# Altium PCB HOMER3E-V3.5-G510.PcbDoc (part 1 of 2) (continued)
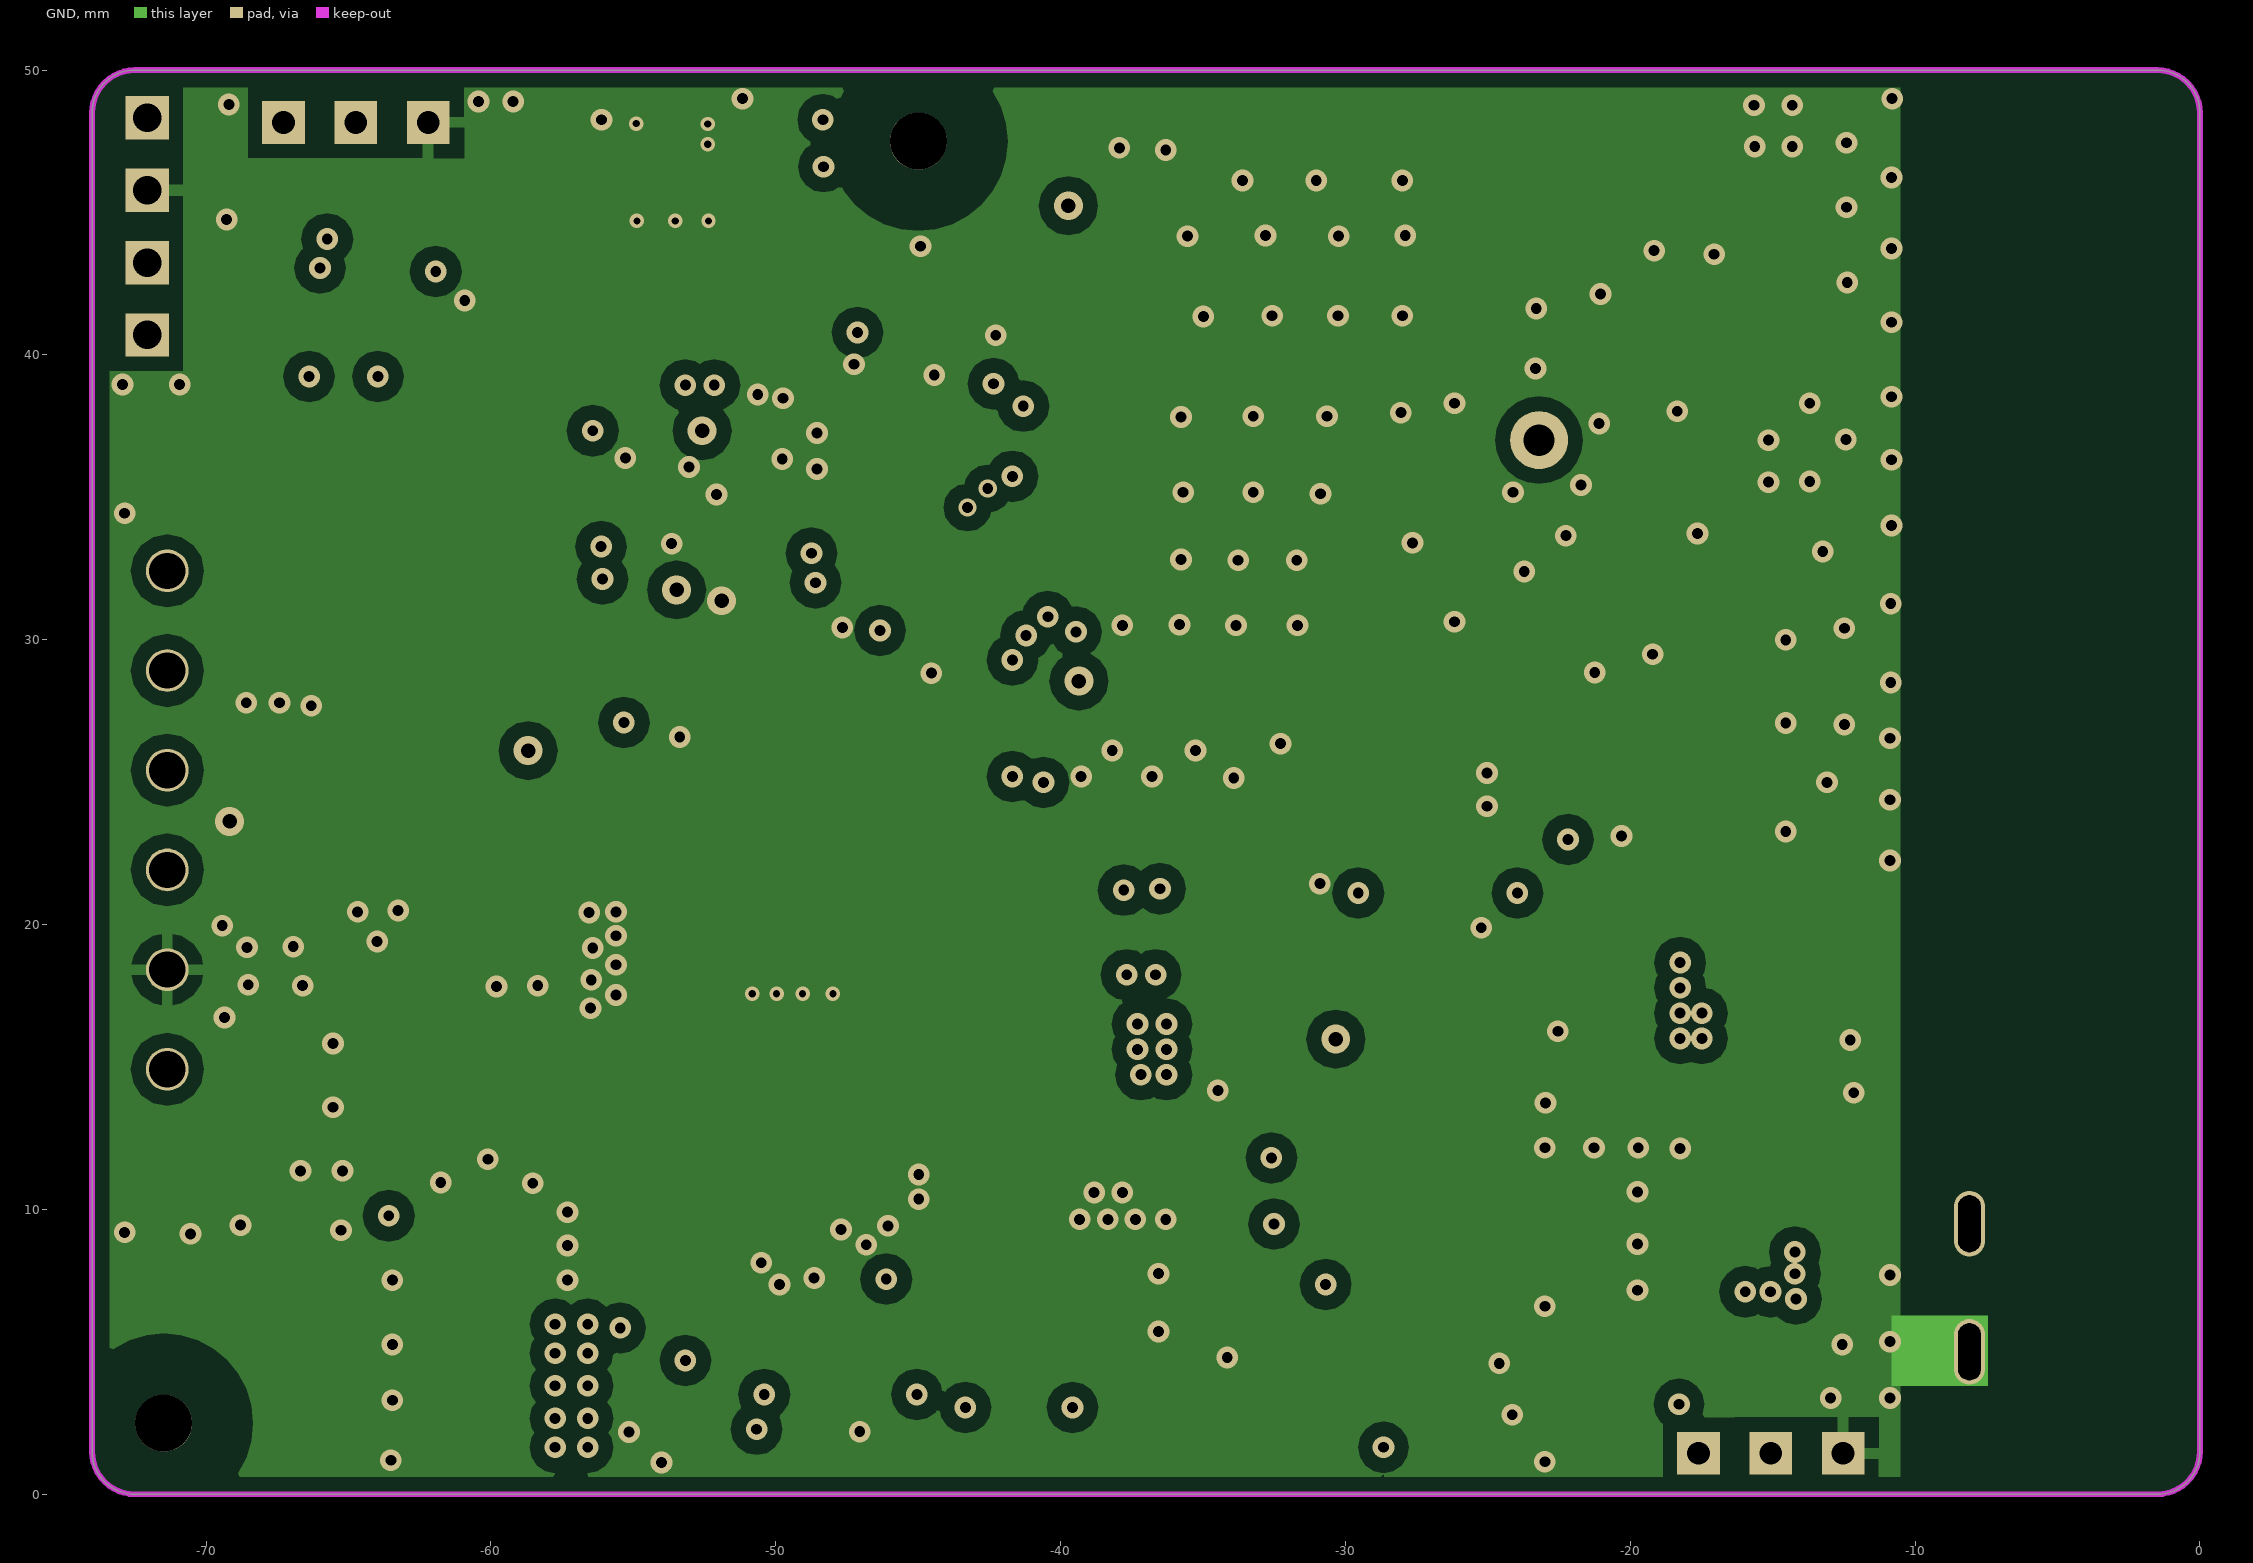
[diagram p3: GND]

## Layer stack, top to bottom
TopSolder: solder mask 0.0102, Solder Resist, Dk 3.5
TopLayer: signal copper 0.0356
Dielectric1: core 0.32, FR-4, Dk 4.8
Min_GND: signal copper 0.036
Dielectric2: prepreg 0.127, Dk 4.2
GND: signal copper 0.036
Dielectric3: core 0.32, FR-4, Dk 4.8
BottomLayer: signal copper 0.0356
BottomSolder: solder mask 0.0102, Solder Resist, Dk 3.5

## Board outline
-74,1.5 ccw(c-72.5,1.5) -72.5,0 -1.5,0 ccw(c-1.5,1.5) 0,1.5 0,48.5 ccw(c-1.5,48.5) -1.5,50 -72.5,50 ccw(c-72.5,48.5) -74,48.5

## Design rules (kind name [scope] priority, off if disabled: settings)
Clearance polygon [(InPoly)] p1: gap=0.508 ignorepadtopadclearanceinfootprint=FALSE except(0: Arc-Hole Track-Hole SMDPad-Hole THPad-Hole Via-Hole Fill-Hole Poly-Hole Region-Hole Text-Hole)
Clearance [All] p2: gap=0.178 ignorepadtopadclearanceinfootprint=FALSE except(0: Arc-Hole Track-Hole SMDPad-Hole THPad-Hole Via-Hole Fill-Hole Poly-Hole Region-Hole Text-Hole)
ComponentClearance [All] p1: gap=0 collisioncheckmode=3 verticalgap=0 showdistances=FALSE
FabricationTestPointUsage TestPointUsage [All] p1: valid=0 allowmultiple=FALSE
FabricationTestpoint Testpoint [All] p1: side=3 testpointundercomponent=TRUE minsize=1.016 maxsize=2.54 preferedsize=1.524 minholesize=0.508 maxholesize=1.016 preferedholesize=0.813 testpointgrid=0.025 allowsidetop=TRUE allowsidebottom=TRUE usegrid=TRUE gridtolerance=0
PolygonConnect GND_VIA [ISVIA] p1: connectstyle=Direct reliefconductorwidth=0.254 reliefentries=4 polygonreliefangle="90 Angle" airgapwidth=0.254
PolygonConnect [All] p2: connectstyle=Relief reliefconductorwidth=0.381 reliefentries=4 polygonreliefangle="90 Angle" airgapwidth=0.254
RoutingVias [All] p1: holewidth=0.711 width=1.27 viastyle="Through Hole" minholewidth=0.3 minwidth=0.6 maxholewidth=0.711 maxwidth=1.27
SilkToSilkClearance [All] p1: silktosilkclearance=0.01
SilkToSolderMaskClearance [IsPad] p1: minsilkscreentomaskgap=0.01 clearancetoexposedcopper=TRUE
SolderMaskExpansion [All] p1: expansion=0.102
Width [All] p1: maxlimit=2.032 minlimit=0.254 preferedwidth=0.305
25 further rules are at their usual default settings.

## Components (designator, comment, footprint, x,y, rotation, side; value= is the part's Value field where it differs from the comment)
ANT1 "ANT" GPS_ANT_25*25 -23.2,37.008 r270 top
C1 "0.1uF/50V" 0603#1 -40.904,43.409 r270 bottom
C2 "0.1uF/50V" 0603#1 -46.83,12.23 r0 top
C3 "10uF/10V" 0603#1 -40.904,43.434 r270 top
C4 "220uF/6.3V" 7343 -39.48,13.29 r270 top
C5 "680pF/50V" 0603#1 -48.727,22.225 r0 top
C6 "10uF/50V" 1206 -55.23,9.85 r270 top
C8 "0.1uF/50V" 0805#1 -49.61,10.33 r270 top
C9 "10uF/50V" 1206 -52.32,9.82 r90 top
C12 "0.1uF/50V" 0805#1 -71.336,36.413 r90 bottom
C13 "0.1uF/50V" 0603#1 -53.35,20.35 r90 top
C14 "0.47uF/50V" 0805#1 -64.4,32.72 r0 top
C15 "10uF/10V" 0603#1 -47.065,13.691 r180 bottom
C16 "10uF/10V" 0603#1 -44.409,22.835 r90 bottom
C17 "0.1uF/50V" 0603#1 -21.168,1.143 r180 bottom
C18 "0.1uF" 0805#2 -71.333,11.684 r0 bottom
C19 "1uF/10V" 0603#1 -47.203,28.321 r90 top
C20 "1uF/10V" 0603#1 -43.774,42.139 r0 top
C21 "1uF/10V" 0603#1 -44.803,31.877 r0 top
C22 "1uF/10V" 0603#1 -47,37.694 r90 top
C23 "0.1uF/50V" 0603#1 -17.104,5.842 r180 top
C24 "220uF/6.3V" 7343 -16.38,9.41 r180 top
C25 "18pF/50V" 0603#1 -26.883,18.415 r90 top
C26 "18pF/50V" 0603#1 -25.994,6.604 r270 top
C27 "0.1uF/50V" 0603#1 -53.172,24.13 r270 top
C28 "0.1uF/50V" 0603#1 -59.268,41.91 r180 bottom
C29 "0.1uF/50V" 0603#1 -58.97,28.84 r180 bottom
C30 "0.1uF/50V" 0603#1 -43.647,30.734 r90 bottom
C31 "0.1uF/50V" 0603#1 -55.661,25.527 r0 bottom
C32 "10uF/10V" 0603#1 -49.31,40.79 r180 top
C33 "0.1uF/50V" 0603#1 -69.428,40.005 r270 bottom
C34 "0.1uF/50V" 0603#1 -46.695,43.815 r180 bottom
C35 "7pF/50V" 0603#1 -65.253,31.088 r0 bottom
C36 "22pF/50V" 0603#1 -68.35,36.576 r270 bottom
C37 "7pF/50V" 0603#1 -65.237,29.21 r0 bottom
C38 "22pF/50V" 0603#1 -68.285,33.274 r90 bottom
C39 "0.1uF/50V" 0603#1 -29.423,18.415 r270 top
C40 "0.1uF" 0805#2 -67.65,13.843 r90 bottom
C41 "10nF" 0603#1 -44.282,18.669 r90 bottom
C42 "1uF/10V" 0603#1 -17.485,36.703 r180 bottom
C43 "1uF/10V" 0603#1 -15.072,33.223 r90 bottom
C46 "0.1uF" 0603#1 -15.351,44.983 r270 bottom
C47 "0.1uF/50V" 0603#1 -60.411,23.571 r180 bottom
C48 "0.1uF/50V" 0603#1 -21.1,20.315 r180 top
C49 "0.1uF/50V" 0603#1 -63.967,26.289 r0 top
C50 "0.1uF/50V" 0603#1 -56.728,23.622 r0 bottom
C51 "22pF/50V" 0603#1 -67.1,21.88 r0 bottom
C52 "22pF/50V" 0603#1 -67.08,25.39 r0 bottom
C53 "0.1uF/50V" 0603#2 -35.966,13.32 r270 top
C54 "10nF/50V" 0603#2 -54.645,35.027 r270 top
C55 "0.1uF/50V" 0603#3 -60.538,37.465 r270 bottom
C56 "NC" C0603 -8.865,12.014 r180 bottom
C57 "NC" C0603 -8.865,17.145 r180 bottom
D1 "1N4148" SOD-123#1 -67.44,35.35 r90 top
D2 "SS210A" DO-214AC -43.62,9.82 r90 top
D3 "1N4007" DO-214AC -71.377,11.35 r270 top
D4 "SMCJ40A" SMCJ40A -63.205,3.937 r0 bottom
D5 "SS210A" DO-214AC -37.17,19.812 r0 top
D6 "SS24" DO-214AC -41.488,12.548 r0 bottom
D7 "LED绿色" 0603_led -27.56,2.2 r0 top
D8 "MMSZ3V3T1" SOD-123#2 -62.849,21.641 r0 bottom
D10 "LED蓝色" 0603_led -38.6,2.2 r0 top
D11 "LED红色" 0603_led -49.58,2.2 r0 top
F1 "FSMD075" 2920 -66.126,3.81 r0 top
J1 "CON6" CON6 -71.36,23.67 r90 top
J5 "CON3" PH-3(2.54) -15.066,1.439 r0 top
J6 "CON4" PH-4(2.54) -72.07,44.51 r90 top
J7 "CON3" PH-3(2.54) -64.74,48.16 r0 top
JS1 "CONN_SMD_PIN1x2" MOLEX_53261-0271 -45.273,8.179 r90 bottom
L1 "SLF7045T-150MR40-PF" "MURATA_7 X 7" -42.65,19.66 r270 top
L2 "SLF7045T-220MR90-PF" "MURATA_7 X 7" -60.538,11.684 r0 top
L9 "CBW201209U301" 0805#1 -15.79,13.88 r270 top
Q1 "MMBT2222A" SOT23-3#1 -56.35,28.72 r270 top
Q2 "2SD874" SOT-89-3L -62.97,29.31 r90 top
Q3 "AO3415A" SOT23-3#1 -39.685,15.773 r0 bottom
Q5 "SI2301CDS" SOT23-3#2 -15.76,17.51 r180 top
Q6 "2N7002" SOT23-3#3 -20.533,17.272 r180 top
Q7 "NUP2105LT1G" SOT23-3#4 -66.71,23.46 r90 top
R1 "1K" 0603#1 -42.919,37.135 r0 bottom
R2 "4.7K" 0603#1 -69.47,36.1 r270 top
R4 "200K" 0603#1 -53.553,14.859 r90 top
R5 "24K" 0603#1 -47.076,24.638 r180 top
R6 "48.7K 1%" 0603#1 -49.616,24.765 r270 top
R7 "100K" 0603#1 -59.53,32.25 r270 top
R8 "10K %1" 0603#1 -51.58,22.21 r90 top
R9 "1K" 0603#1 -57.54,31.92 r270 top
R10 "100R" 0805#1 -67.74,30.32 r90 top
R11 "10K" 0603#1 -59.14,28.6 r90 top
R12 "100K" 0603#1 -16.7,27.52 r0 bottom
R13 "10K" 0603#1 -42.123,20.422 r270 bottom
R14 "22R" 0603#1 -28.534,7.366 r0 top
R15 "100k/1%" 0603#1 -57.998,14.707 r270 bottom
R16 "22R" 0603#1 -31.455,10.287 r90 top
R17 "22R" 0603#1 -31.455,13.462 r90 top
R18 "1K" 0603#1 -27.645,21.082 r180 top
R19 "10K" 0603#1 -47.457,22.962 r0 bottom
R20 "100k/1%" 0603#1 -56.728,21.844 r0 bottom
R21 "1K" 0603#1 -21.803,2.921 r180 bottom
R22 "47K/1%" 0603#1 -63.58,15.41 r270 bottom
R23 "1K 1%" 0603#1 -61.808,18.669 r270 bottom
R24 "1K" 0603#1 -41.717,27.229 r90 bottom
R25 "1K" 0603#1 -30.566,1.651 r0 bottom
R26 "0R" 0603#1 -28.509,30.201 r180 bottom
R27 "1K/1%" 0603#1 -64.348,17.907 r180 bottom
R29 "300K" 0603#1 -42.326,17.12 r270 bottom
R30 "10K" 0603#1 -20.152,33.172 r90 bottom
R31 "1K" 0603#1 -63.738,45.923 r180 bottom
R32 "1K" 0603#1 -24.089,26.873 r180 bottom
R33 "47K" 0603#1 -16.71,21.154 r90 top
R34 "10K" 0603#1 -40.929,40.157 r90 bottom
R35 "1K" 0603#1 -14.81,21.224 r270 top
R36 "1K" 0603#1 -18.56,21.141 r90 top
R37 "1K" 0603#1 -41.488,3.048 r0 bottom
R38 "1K" 0603#1 -53.756,13.919 r90 bottom
R39 "5R" 0603#1 -67.17,20.905 r180 top
R40 "100R" 0603#1 -41.183,32.233 r0 bottom
R41 "100R" 0603#1 -41.183,34.087 r0 bottom
R42 "120R" 0805#1 -63.61,23.363 r90 top
R43 "5R" 0603#1 -66.99,26.23 r180 top
R44 "10K" 0603#1 -67.523,40.005 r270 bottom
R45 "100R" 0603#1 -36.789,4.064 r180 bottom
R46 "330R" 0603#1 -62.189,33.02 r0 bottom
R47 "1K" 0603#1 -33.868,2.327 r180 bottom
R48 "5.6K" 0603#1 -26.121,2.667 r0 bottom
R49 "4.7K" 0603#1 -18.831,47.727 r180 bottom
R50 "4.7K" 0603#1 -15.326,41.681 r270 bottom
R51 "1K" 0603#1 -16.723,29.337 r180 bottom
R56 "200R" 0805#1 -19.46,14.06 r180 top
R57 "100R" 0603#1 -49.108,29.083 r90 top
R58 "100R" 0603#1 -50.886,29.083 r90 top
R59 "10K" 0603#1 -61.3,20.119 r270 top
R60 "1K" 0603#2 -53.48,28.74 r90 top
R61 "10R" 0603#3 -62.443,36.322 r90 bottom
R62 "51R" 0603#3 -61.046,44.069 r0 bottom
R63 "51R" 0603#3 -61.046,46.101 r0 bottom
R64 "51R" 0603#3 -50.022,45.568 r270 top
R65 "51R" 0603#3 -52.385,43.256 r270 top
R66 "10K" 0603#3 -22.667,45.898 r270 bottom
R67 "1K" 0603#3 -56.439,34.62 r90 top
R68 "0Ω" R0603 -8.103,14.529 r270 bottom
TP1 "TestPoint" TESTPOINT -63.586,12.573 r180 bottom
TP2 "TestPoint" TESTPOINT -39.456,21.59 r270 bottom
TP3 "TestPoint" TESTPOINT -34.401,15.85 r90 top
TP4 "TestPoint" TESTPOINT -57.947,19.38 r270 bottom
TP5 "TestPoint" TESTPOINT -59.979,25.4 r270 bottom
TP6 "TestPoint" TESTPOINT -50.124,34.823 r90 top
TP7 "TestPoint" TESTPOINT -40.37,48.489 r180 bottom
TP8 "TestPoint" TESTPOINT -66.812,9.703 r90 top
TP9 "TestPoint" TESTPOINT -44.282,16.434 r270 bottom
TP10 "TestPoint" TESTPOINT -42.976,44.234 r90 top
TP11 "TestPoint" TESTPOINT -13.624,15.011 r90 top
U1 "GPS-N303-3" N303-3 -25.765,46.406 r180 bottom
U2 "MP4560DN" MP4560DN_FOOTPRINT -47.79,19.66 r270 top
U3 "TLP281-1" tlp281 -61.86,35.58 r0 top
U4 "G510" G510-Q50-20 -23.43,15 r270 bottom locked
U5 "TP4056" MP4560DN_FOOTPRINT -50.089,21.001 r270 bottom
U6 "BL8555" SOT23-5 -44.409,39.167 r90 top
U7 "BL8555" SOT23-5 -44.536,28.829 r90 top
U8 "SIM_SMT" SIM_SMT -27.518,12.7 r90 top
U9 "TJA1043T/3" SO-8 -58.28,24.2 r180 top
U10 "STM32F103xC xD xE" TQFP-64 -52.06,34.79 r0 bottom
U11 "W25M02GV" WSON8X6-8 -53.636,46.354 r0 bottom
U12 "BL8555" SOT23-5 -17.637,33.63 r90 bottom
U13 "AT24C08B" SO-8 -19.009,42.697 r90 bottom
Y1 "XTAL" XTAL_FC-135 -62.443,29.972 r90 bottom
Y2 "XTAL" XTAL_5032_2 -65.618,35.052 r90 bottom

## Footprints (in the part's own frame and the unit in brackets; to place one, negate y for a bottom-side part, rotate by r counter-clockwise, add the part's x,y. Pads: shape width x height; smd on the part's side, far side on the other; paste and mask are expansions set on the pad)
0603#1 [mm]
  rect 0.8x1.1 smd: 1(-0.8,0) 2(0.8,0)
  silkscreen extent -1.45,-0.8 1.45,0.8
0603#2 [mm]
  rect 0.889x0.889 smd: 1(0,0) 2(1.524,0)
  silkscreen extent -0.76,-0.76 2.29,0.76
0603#3 [mm]
  rect 0.8x1.1 smd: 1(0,0) 2(1.6,0)
  silkscreen extent -0.65,-0.8 2.25,0.8
0603_led [mil]
  rect 35x35 smd: 1(0,0) 2(60,0)
  silkscreen extent -62,-30 90,30
0805#1 [mm]
  rect 1.2x1.6 smd: 1(-1,0) 2(1,0)
  silkscreen extent -1.85,-1.05 1.85,1.05
0805#2 [mm]
  rect 1.27x1.27 smd: 1(0,0) 2(2.032,0)
  silkscreen extent -0.91,-0.89 2.95,0.91
1206 [mm]
  rect 1.5x2 smd: 1(-1.5,0) 2(1.5,0)
  silkscreen extent -2.5,-1.25 2.5,1.25
2920 [mm]
  rect 3.5x5.44 smd: 1(0.007,-0.007) 2(5.798,0.019)
  silkscreen extent -2,-3.08 7.78,3.04
7343 [mil]
  rect 120x125.98 smd: 1(0,0) 2(240,0)
  silkscreen extent -85,-91 320,91
C0603 [mil]
  rect 30x30 smd: 1(-30,0) 2(30,0)
  silkscreen extent -55,-25 55,25, body extent -31,-16 31,16, height 22
CON6 [mm]
  round 1.5 hole 1.27: 1(-8.75,0) 2(-5.25,0) 3(-1.75,0) 4(1.75,0) 5(5.25,0) 6(8.75,0)
  TopLayer region: -9.696,-1.85 -7.796,-1.85 -7.796,1.85 -9.696,1.85
  TopLayer region: -6.2,-1.854 -4.3,-1.854 -4.3,1.846 -6.2,1.846
  TopLayer region: -2.699,-1.851 -0.799,-1.851 -0.799,1.849 -2.699,1.849
  TopLayer region: 0.799,-1.849 2.699,-1.849 2.699,1.851 0.799,1.851
  TopLayer region: 4.3,-1.854 6.2,-1.854 6.2,1.846 4.3,1.846
  TopLayer region: 7.804,-1.85 9.704,-1.85 9.704,1.85 7.804,1.85
  silkscreen extent -10.66,-2.44 10.58,2.46
DO-214AC [mm]
  rect 2.3x1.6 smd: 1(0.013,0.006) 2(4.413,0.006)
  silkscreen extent -0.39,-1.34 4.81,1.36
G510-Q50-20 [mm]
  rect 1x1.9 smd: 1(-8.05,-10.95) 2(-6.65,-10.95) 3(-5.25,-10.95) 4(-3.85,-10.95) 5(-2.45,-10.95) 6(2.45,-10.95) 7(3.85,-10.95) 8(5.25,-10.95) 9(6.65,-10.95) 10(8.05,-10.95) 22(8.05,10.95) 23(6.65,10.95) 24(5.25,10.95) 25(3.85,10.95) 26(2.45,10.95) 27(-2.45,10.95) 28(-3.85,10.95) 29(-5.25,10.95) 30(-6.65,10.95) 31(-8.05,10.95)
  rect 1.9x1 smd: 11(9.95,-8.85) 12(9.95,-7.45) 13(9.95,-6.05) 14(9.95,-4.65) 15(9.95,-3.25) 16(9.95,-1.85) 17(9.95,3.25) 18(9.95,4.65) 19(9.95,6.05) 20(9.95,7.45) 21(9.95,8.85) 32(-9.95,8.85) 33(-9.95,7.45) 34(-9.95,6.05) 35(-9.95,4.65) 36(-9.95,3.25) 37(-9.95,-1.85) 38(-9.95,-3.25) 39(-9.95,-4.65) 40(-9.95,-6.05) 41(-9.95,-7.45) 42(-9.95,-8.85)
  silkscreen extent -10.22,-12.53 10.1,11.1
GPS_ANT_25*25 [mil]
  round 80 hole 43.31: 1(0,0)
  silkscreen extent -492,-610 492,374
MOLEX_53261-0271 [mm]
  rect 0.8x1.6 smd: 1(-0.625,0.775) 2(0.625,0.775)
  rect 2.1x3 smd: B1(-3.175,-2.125) B2(3.175,-2.125)
  round 0.8 on Bottom Overlay: ""(-0.625,2.125)
  silkscreen extent -3.5,-3.67 3.5,1.33
MP4560DN_FOOTPRINT [mm]
  rect 1.6x0.6 smd: 1(0,0) 2(0,-1.27) 3(0,-2.54) 4(0,-3.81) 5(5.4,-3.81) 6(5.4,-2.54) 7(5.4,-1.27) 8(5.4,0)
  rect 2.6x3.5 smd: 9(2.7,-1.905)
  silkscreen extent 1.12,-4.44 4.32,0.64
"MURATA_7 X 7" [mm]
  rect 4x2 smd: 1(0,-3.1) 2(0,3.1)
  silkscreen extent -3.75,-3.75 3.75,3.75
N303-3 [mm]
  rect 2x0.8 smd: 1(-0.029,-0.01) 2(-0.029,-1.11) 3(-0.029,-2.21) 4(-0.029,-3.31) 5(-0.029,-4.41) 6(-0.029,-5.51) 7(-0.029,-6.61) 8(-0.029,-9.61) 9(-0.029,-10.71) 10(-0.029,-11.81) 11(-0.029,-12.91) 12(-0.029,-14.01) 13(12.171,-14.01) 14(12.171,-12.91) 15(12.171,-11.81) 16(12.171,-10.71) 17(12.171,-9.61) 18(12.171,-6.61) 19(12.171,-5.51) 20(12.171,-4.41) 21(12.171,-3.31) 22(12.171,-2.21) 23(12.171,-1.11) 24(12.171,-0.01)
  silkscreen extent -2.58,-15.01 12.17,1.1
PH-3(2.54) [mm]
  rect 1.5x1.5 hole 0.8: 1(-2.54,0) 2(0,0) 3(2.54,0)
  silkscreen extent -3.81,-1.27 3.81,1.27
PH-4(2.54) [mil]
  rect 60x60 hole 39.37: 1(-150,0) 2(-50,0) 3(50,0) 4(150,0)
  silkscreen extent -200,-50 200,50
R0603 [mil] "Chip Inductor, Body 0.6x0.3mm, IPC High Density"
  rect 30x30 smd: 1(-30,0) 2(30,0)
  silkscreen extent -55,-25 55,25, body extent -32,-16 35,16, height 22
SIM_SMT [mm]
  rect 1.5x0.6 smd: 1(-3.277,1.905) 2(-3.277,0.635) 3(-3.277,-0.635) 4(-3.277,-1.905) 5(3.277,-1.905) 6(3.277,-0.635) 7(3.277,0.635) 8(3.277,1.905)
  silkscreen extent -3.56,-2.53 3.25,3.05
SMCJ40A [mm]
  rect 2.413x3.5 smd: 1(-3.5,0) 2(3.5,0)
  silkscreen extent -3.95,-2.95 5.33,2.95
SO-8 [mil]
  oval 80x24 smd: 1(-118.11,75) 2(-118.11,25) 3(-118.11,-25) 4(-118.11,-75) 5(118.11,-75) 6(118.11,-25) 7(118.11,25) 8(118.11,75)
  silkscreen extent -50,-100 50,100
SOD-123#1 [mm]
  rect 0.91x1.22 smd: 1(-1.635,0) 2(1.635,0)
  silkscreen extent -2.39,-0.91 2.39,0.91
SOD-123#2 [mm]
  rect 0.91x1.22 smd: 1(3.27,0) 2(0,0)
  silkscreen extent -0.76,-0.91 4.32,0.91
SOT23-3#1 [mm]
  rect 1x1.1 smd: 1(-0.95,-1.05) 2(0.95,-1.05) 3(0,1.05)
  silkscreen extent -1.5,-1.5 1.5,1.5
SOT23-3#2 [mm]
  rect 1x1.397 smd: 1(-0.95,-1.05) 2(0.95,-1.05)
  rect 1x1.1 smd: 3(0,1.05)
  silkscreen extent -1.5,-1.5 1.5,1.5
SOT23-3#3 [mm]
  rect 1x1.397 smd: 1(-0.95,-1.05) 2(0,1.05) 3(0.95,-1.05)
  silkscreen extent -1.5,-1.5 1.5,1.5
SOT23-3#4 [mm]
  rect 1x1.397 smd: 1(-0.95,-1.05) 2(0.95,-1.05)
  rect 1x1.27 smd: 3(0,1.05)
  silkscreen extent -1.5,-1.5 1.5,1.5
SOT23-5 [mil]
  rect 50x20 smd: 1(-50,37.4) 2(-50,0) 3(-50,-37.4) 4(50,-37.4) 5(50,37.4)
  silkscreen extent -31,-57 55,57
SOT-89-3L [mil]
  rect 34x78.74 smd: 1(-60,-55.1) 3(60,-55.1)
  rect 34x100 smd: 2(0,-55.1)
  oval 80x157.48 smd: 2(0.04,55.1)
  silkscreen extent -80,0 80,115
TESTPOINT [mm]
  round 1.27 smd: 1(0,0)
  silkscreen extent -0.89,-0.89 0.89,0.89
tlp281 [mm]
  oval 2x0.6 smd: 1(-3.302,0.635) 2(-3.302,-0.635) 3(3.302,-0.635) 4(3.302,0.635)
  silkscreen extent -2,-1.42 2,1.43
TQFP-64 [mm] "Thin QFP, 64-Leads, Body 10x10mm, Pitch 0.5mm, IPC Low Density"
  rect 2.1x0.3 smd: 1(-6,3.75) 2(-6,3.25) 3(-6,2.75) 4(-6,2.25) 5(-6,1.75) 6(-6,1.25) 7(-6,0.75) 8(-6,0.25) 9(-6,-0.25) 10(-6,-0.75) 11(-6,-1.25) 12(-6,-1.75) 13(-6,-2.25) 14(-6,-2.75) 15(-6,-3.25) 16(-6,-3.75) 33(6,-3.75) 34(6,-3.25) 35(6,-2.75) 36(6,-2.25) 37(6,-1.75) 38(6,-1.25) 39(6,-0.75) 40(6,-0.25) 41(6,0.25) 42(6,0.75) 43(6,1.25) 44(6,1.75) 45(6,2.25) 46(6,2.75) 47(6,3.25) 48(6,3.75)
  rect 0.3x2.1 smd: 17(-3.75,-6) 18(-3.25,-6) 19(-2.75,-6) 20(-2.25,-6) 21(-1.75,-6) 22(-1.25,-6) 23(-0.75,-6) 24(-0.25,-6) 25(0.25,-6) 26(0.75,-6) 27(1.25,-6) 28(1.75,-6) 29(2.25,-6) 30(2.75,-6) 31(3.25,-6) 32(3.75,-6) 49(3.75,6) 50(3.25,6) 51(2.75,6) 52(2.25,6) 53(1.75,6) 54(1.25,6) 55(0.75,6) 56(0.25,6) 57(-0.25,6) 58(-0.75,6) 59(-1.25,6) 60(-1.75,6) 61(-2.25,6) 62(-2.75,6) 63(-3.25,6) 64(-3.75,6)
  silkscreen extent -5.11,-4.15 4.15,5.07
WSON8X6-8 [mil]
  rect 60x20 smd: 1(-157.48,75) 2(-157.48,25) 3(-157.48,-25) 4(-157.48,-75) 5(157.48,-75) 6(157.48,-25) 7(157.48,25) 8(157.48,75)
  rect 133.86x169.29 smd: 9(0,0)
  silkscreen extent -196,-118 157,128
XTAL_5032_2 [mm]
  rect 1.7x2.4 smd: 1(-1.85,0) 2(1.85,0)
  silkscreen extent -2.92,-1.61 2.92,1.59
XTAL_FC-135 [mm]
  rect 1x1.8 smd: 1(-1.25,0) 2(1.25,0)
  silkscreen extent -2,-1.1 2,1.1

## Part data
C1 C2 C3 C5 C6 C8 C9 C12 C13 C14 C15 C16 C17 C18 C19 C20 C21 C22 C23 C25 C26 C27 C28 C29 C30 C31 C32 C33 C34 C35 C36 C37 C38 C39 C40 C41 C42 C43 C46 C47 C48 C49 C50 C51 C52 C53 C54 C55 C56 C57: library part CAP, "Capacitor"
C4 C24: library part Cap1, "Capacitor"
D1: library part Diode, "Default Diode"
D2: library part B340A, "Schottky Diode"
D3: "High Conductance Fast Diode"
D5 D6: library part 1N4007, "High Conductance Fast Diode"
D7 D10 D11: library part LED, "LED"
D8: "TVS"
F1: library part Fuse, "Fuse"
L1: library part INDUCTOR_2, "INDUCTOR"
L2: library part Inductor, "Magnetic-Core Inductor"
L9: library part Inductor, "Inductor"
Q2: "NPN General Purpose Amplifier"
Q3: "P-Channel Power MOSFET"
Q5: library part Si2301ADS
Q6: library part NMOS-2, "N-Channel Power MOSFET"
R1 R2 R4 R5 R6 R7 R8 R9 R10 R11 R12 R13 R14 R15 R16 R17 R19 R20 R21 R22 R23 R24 R25 R26 R27 R29 R30 R31 R32 R33 R34 R35 R36 R37 R38 R39 R40 R41 R42 R43 R44 R45 R46 R47 R48 R49 R50 R51 R56 R57 R58 R59 R60 R61 R62 R63 R64 R65 R66 R67 R68: library part Res, "Resistor"
R18: library part RES_0603
U3: "光电耦合器"
U9: library part TJA1042T/3
U13: "8K I2C CMOS Serial EEPROM"
Y1 Y2: "Crystal Oscillator"

## Free pads (board coordinates)
  round 1.27 smd: 0(-6.08,47.422)
  round 1.27 smd far side: 1(-6.08,47.422)
  rrect100% 1.1x2.3 hole 2 slot 0.8 at 0 deg: 2(-8.09,5) 2(-8.09,9.5)
  round 2 hole 2: F1(-71.485,2.495) F2(-44.993,47.504)

## Via types
v1: diameter 0.762, hole 0.381, TopLayer to BottomLayer, tented both sides, 267 vias
v2: diameter 0.508, hole 0.254, TopLayer to BottomLayer, tented both sides, 10 vias
v3: diameter 1.016, hole 0.508, TopLayer to BottomLayer, tented both sides, 8 vias
v4: diameter 0.635, hole 0.381, TopLayer to BottomLayer, tented both sides, 2 vias

## Nets (pads, with @x,y where several pads share a name; then routed paths per layer and width w, separated by ;. In a path a pad name is that pad's centre, name@x,y a point inside that pad or via, vN(x,y) a via of type N, cw(c..) or ccw(c..) an arc to the next point about the centre after c; other vN are vias at no path point)
ACC: C12.1 J1.6 R2.2 | length 6.6
  TopLayer w0.635: J1.6@-71.36,32.42 -71.36,33.41 R2.2@-69.47,35.3
  BottomLayer w0.5: J1.6@-71.336,32.444 C12.1@-71.336,35.413
ACCI: R67.2 U10.14 | length 2.8
  TopLayer w0.254: R67.2@-56.423,36.236 v1(-56.423,37.338)
  BottomLayer w0.254: U10.14@-58.06,37.54 -56.676,37.54 -56.474,37.338 v1(-56.423,37.338)
BAT_ADC: C50.1 R15.1 R20.1 TP4.1 U10.10 | length 23.8
  BottomLayer w0.254: U10.10@-58.06,35.54 -56.098,35.54 -54.823,34.265 -54.823,31.811 -56.705,29.929 -56.705,27.711 -57.388,27.028 -57.388,24.818 -57.617,24.59 -57.617,23.622 -57.617,16.891 -57.998,16.51 R15.1@-57.998,15.507
CAN_RXD: R58.2 U10.44 | length 7.2
  TopLayer w0.254: R58.2@-50.886,29.883 -50.886,31.623 -49.469,33.04 v1(-48.747,33.04)
  BottomLayer w0.254: v1(-48.747,33.04) U10.44@-46.06,33.04
CAN_SLEEP: R59.1 U9.8 U10.62 | length 11.7
  TopLayer w0.254: U9.8@-61.28,22.295 -60.049,22.295 -57.617,24.727 -57.617,25.527 -56.051,27.093 v1(-55.331,27.093)
  TopLayer w0.381: R59.1@-61.3,20.919 U9.8@-61.3,22.275
  BottomLayer w0.254: v1(-55.331,27.093) -54.81,27.614 U10.62@-54.81,28.79
CAN_TXD: R57.2 U10.45 | length 5.1
  TopLayer w0.254: R57.2@-49.108,29.883 -49.108,31.496 v1(-48.6,32.004)
  BottomLayer w0.254: v1(-48.6,32.004) -48.064,32.54 U10.45@-46.06,32.54
CANH: C51.1 J1.3 R39.2 | length 7.2
  TopLayer w0.508: J1.3@-71.36,21.92 -68.985,21.92 R39.2@-67.97,20.905
  BottomLayer w0.635: J1.3@-71.32,21.88 C51.1@-67.9,21.88
CANL: C52.1 J1.4 R43.2 | length 7.4
  TopLayer w0.508: J1.4@-71.36,25.42 -68.6,25.42 R43.2@-67.79,26.23
  BottomLayer w0.635: J1.4@-71.33,25.39 C52.1@-67.88,25.39
DC_2V8: C17.1 R12.1 R18.1 R32.1 U4.13 | length 42.9
  TopLayer w0.381: R18.1@-26.845,21.107 v1(-23.962,21.107) ; v1@-23.962,21.209 -23.962,14.605 -24.597,13.97 -24.597,6.223 -21.534,3.16 v1(-18.284,3.16)
  BottomLayer w0.381: v1@-23.962,21.209 -23.962,23.495 -23.302,24.155 -23.302,26.784 -22.908,27.178 -17.842,27.178 R12.1@-17.5,27.52 ; C17.1@-20.368,1.143 -20.301,1.143 v1(-18.284,3.16) -17.38,4.064 U4.13@-17.38,5.05
DC_3V3: C21.1 C28.1 C29.1 C30.1 C31.1 C32.1 C49.2 R31.1 R44.2 R60.2 R61.2 TP6.1 U3.4 U7.5 U9.5 U10.1 U10.19 U10.32 U10.48 U10.64 | length 95.1
  TopLayer w0.3: C49.2@-63.167,26.289 C49.2@-62.983,26.105
  TopLayer w0.381: v1(-66.38,39.243) v1(-63.967,39.243) -61.935,39.243 ; v1(-61.935,42.926) -61.935,39.243 ; U3.4@-58.558,36.215 -58.949,36.605 ; v1(-56.083,32.131) -55.702,31.75 v3(-53.48,31.75) R60.2@-53.48,30.264 ; v3@-52.537,37.338 v3(-52.586,37.338) -52.787,37.539 -55.232,37.539 -55.966,38.272 -57.281,38.272 -58.949,36.605 ; C32.1@-48.51,40.79 v1(-47.127,40.79) ; -61.935,39.243 -61.586,39.243 -58.949,36.605
  TopLayer w0.508: C49.2@-62.983,26.105 U9.5@-61.28,26.105 v3(-58.69,26.105) ; v1(-46.339,30.328) U7.5@-45.577,30.328
  TopLayer w0.635: v3@-52.537,37.338 TP6.1@-50.073,34.874 ; U7.5@-45.486,30.099 C21.1@-45.486,31.847
  TopLayer w0.762: v3(-53.48,31.75) -50.686,34.544 -48.219,34.544 C21.1@-45.577,31.902
  Min_GND w0.635: v3(-58.69,26.105) -53.48,31.315 v3(-53.48,31.75)
  BottomLayer w0.3: C28.1@-58.326,41.91 C28.1@-58.468,41.91 -58.138,42.24 -55.026,42.24 -54.81,42.024 U10.19@-54.81,40.79 -54.81,39.562 v3(-52.586,37.338) ; C31.1@-56.461,25.527 -56.22,25.768 -56.22,28.38 U10.64@-55.81,28.79 ; -55.81,29.905 U10.64@-55.81,28.79 ; v3(-53.48,31.75) -54.24,31.75 -55.81,30.18 U10.64@-55.81,28.79 ; v3@-52.537,37.338 -49.616,37.338 -48.31,38.644 U10.32@-48.31,40.79 ; U10.48@-46.06,31.04 -45.958,30.938 -45.958,30.328 -45.565,29.934 C30.1@-43.647,29.934
  BottomLayer w0.305: C29.1@-58.06,28.95 U10.1@-58.06,31.04 -56.879,31.04 v1@-56.083,31.836 ; U10.32@-48.31,40.79 v1(-47.127,40.79)
  BottomLayer w0.381: R44.2@-67.485,39.243 v1(-66.38,39.243) ; v1(-63.967,39.243) R61.2@-62.646,37.922 ; R31.1@-62.938,45.923 -62.938,43.929 v1(-61.935,42.926)
DC_4V2: C19.1 C22.1 C43.1 D5.2 D6.2 Q3.2 Q5.2 R33.1 TP3.1 U6.1 U7.1 U7.3 U12.1 | length 72.6
  TopLayer w0.305: -32.757,18.415 D5.2@-32.757,20.072 ; -17.993,17.399 -17.993,18.161 -17.594,18.56 Q5.2@-16.71,18.56
  TopLayer w0.381: Q5.2@-16.71,18.56 R33.1@-16.71,20.354
  TopLayer w0.508: C19.1@-47.228,27.521 U7.1@-45.549,27.521 ; -45.486,26.756 U7.1@-45.486,27.559 ; -44.028,25.425 -43.901,25.425 ; -43.586,25.544 -43.586,26.096 U7.3@-43.586,27.559
  TopLayer w0.635: -45.461,26.858 -44.028,25.425
  TopLayer w0.762: U6.1@-45.359,37.897 -45.359,35.342 -42.633,32.616 -42.633,27.049 -42.633,24.513
  TopLayer w1.016: C22.1@-47,36.894 -45.844,36.894 ; -43.901,25.781 -43.586,26.096 -42.633,27.049 -42.123,27.559 -40.345,27.559 v3(-39.354,28.55) ; -42.633,24.513 -40.713,22.593 -35.278,22.593 D5.2@-32.757,20.072
  BottomLayer w0.635: v3(-39.354,28.55) -23.276,28.55 -21.016,30.81 -17.333,30.81 -16.687,31.455 U12.1@-16.687,32.36 ; -15.796,32.36 U12.1@-16.687,32.36 ; C43.1@-15.136,32.36 U12.1@-16.687,32.36
  other v1: -37.18,14.732 -36.281,14.732 -37.297,15.621 -36.281,15.621 -18.247,16.002 -17.485,16.002 -37.297,16.51 -36.281,16.51 -18.247,16.891 -17.485,16.891 -18.247,17.78 -18.247,18.669
DC_4V7: C4.1 C16.1 C27.1 C53.1 D5.1 L1.2 R6.1 R13.1 TP2.1 U5.4 U5.8 U9.3 | length 44.1
  TopLayer w0.305: C27.1@-53.267,24.835 C27.1@-53.172,24.93
  TopLayer w0.508: U9.3@-55.28,24.835 C27.1@-53.267,24.835 ; C27.1@-53.172,24.93 -50.911,24.93 -50.276,25.565 R6.1@-49.616,25.565 -49.216,25.965 -46.041,25.965 -40.396,20.32 -39.964,20.32 -39.761,20.32 L1.2@-39.55,20.32
  TopLayer w0.762: C4.1@-39.48,13.32 C53.1@-36.093,13.32
  BottomLayer w0.381: -50.51,15.601 U5.8@-50.089,15.601 -51.12,15.601 -51.648,16.129 -51.648,21.996 -49.032,24.613 -47.482,24.613 ; -48.253,24.613 -47.482,24.613 ; R13.1@-42.123,21.565 -42.123,23.47 -43.266,24.613 -47.482,24.613
  BottomLayer w0.508: R13.1@-42.123,21.222 R13.1@-42.123,21.565
  other v1: -37.678,18.237 -36.662,18.237 -37.78,21.209 -36.51,21.26
DC__GSM: C23.1 C24.1 L9.2 U4.9 U4.10 | length 0.4
  TopLayer w0.3: -15.79,6.23 -15.52,5.96
  other v1: -14.183,6.858 -15.961,7.11 -15.072,7.11 -14.221,7.745 -14.221,8.509
DC_GPS: C1.1 C3.1 C20.1 R66.1 TP10.1 U1.23 U6.5 | length 28.7
  TopLayer w0.635: U6.5@-45.359,40.437 -45.359,41.851 TP10.1@-42.976,44.234 C3.1@-40.904,44.234 -40.728,44.234 v3(-39.725,45.237)
  BottomLayer w0.381: U1.23@-37.936,45.295 -36.553,45.295 -34.361,47.488 -24.203,47.488 ; -24.203,47.434 R66.1@-22.667,45.898
  BottomLayer w0.635: C1.1@-40.904,44.209 -40.754,44.209 v3(-39.725,45.237) -39.667,45.295 U1.23@-37.936,45.295
DC_MEM: C34.2 C42.1 C46.1 R49.1 R50.1 TP7.1 U11.8 U12.5 U13.8 | length 56.2
  BottomLayer w0.508: U11.8@-49.636,44.449 -47.367,44.449 U11.8@-49.128,44.449 ; C34.2@-47.495,43.815 -47.495,44.45 -46.987,44.958 -43.287,44.958 -38.944,49.301 -18.679,49.301 ; R50.1@-15.326,42.481 -13.713,42.481
  BottomLayer w0.635: -18.679,49.301 -17.104,47.727 U13.8@-17.104,45.697 ; U13.8@-17.018,45.783 C46.1@-15.351,45.783 -14.767,45.783 -13.7,44.716 -13.7,40.272 -16.687,37.285 U12.5@-16.687,34.9
G_RXD1: R47.1 R48.1 U4.18 | length 8.5
  BottomLayer w0.254: R48.1@-26.991,2.667 R48.1@-26.921,2.667
  BottomLayer w0.305: R47.1@-33.068,2.2 -32.601,2.667 -29.169,2.667 -28.08,3.756 ; U4.18@-28.08,5.05 -28.08,3.756 ; R48.1@-26.991,2.667 -28.08,3.756
G_TXD1: R45.1 U4.19 | length 8.2
  BottomLayer w0.305: R45.1@-35.989,4.064 -35.373,3.448 -29.823,3.448 -29.48,3.79 U4.19@-29.48,5.05